# KiCad board Neptune.kicad_pcb (continued)
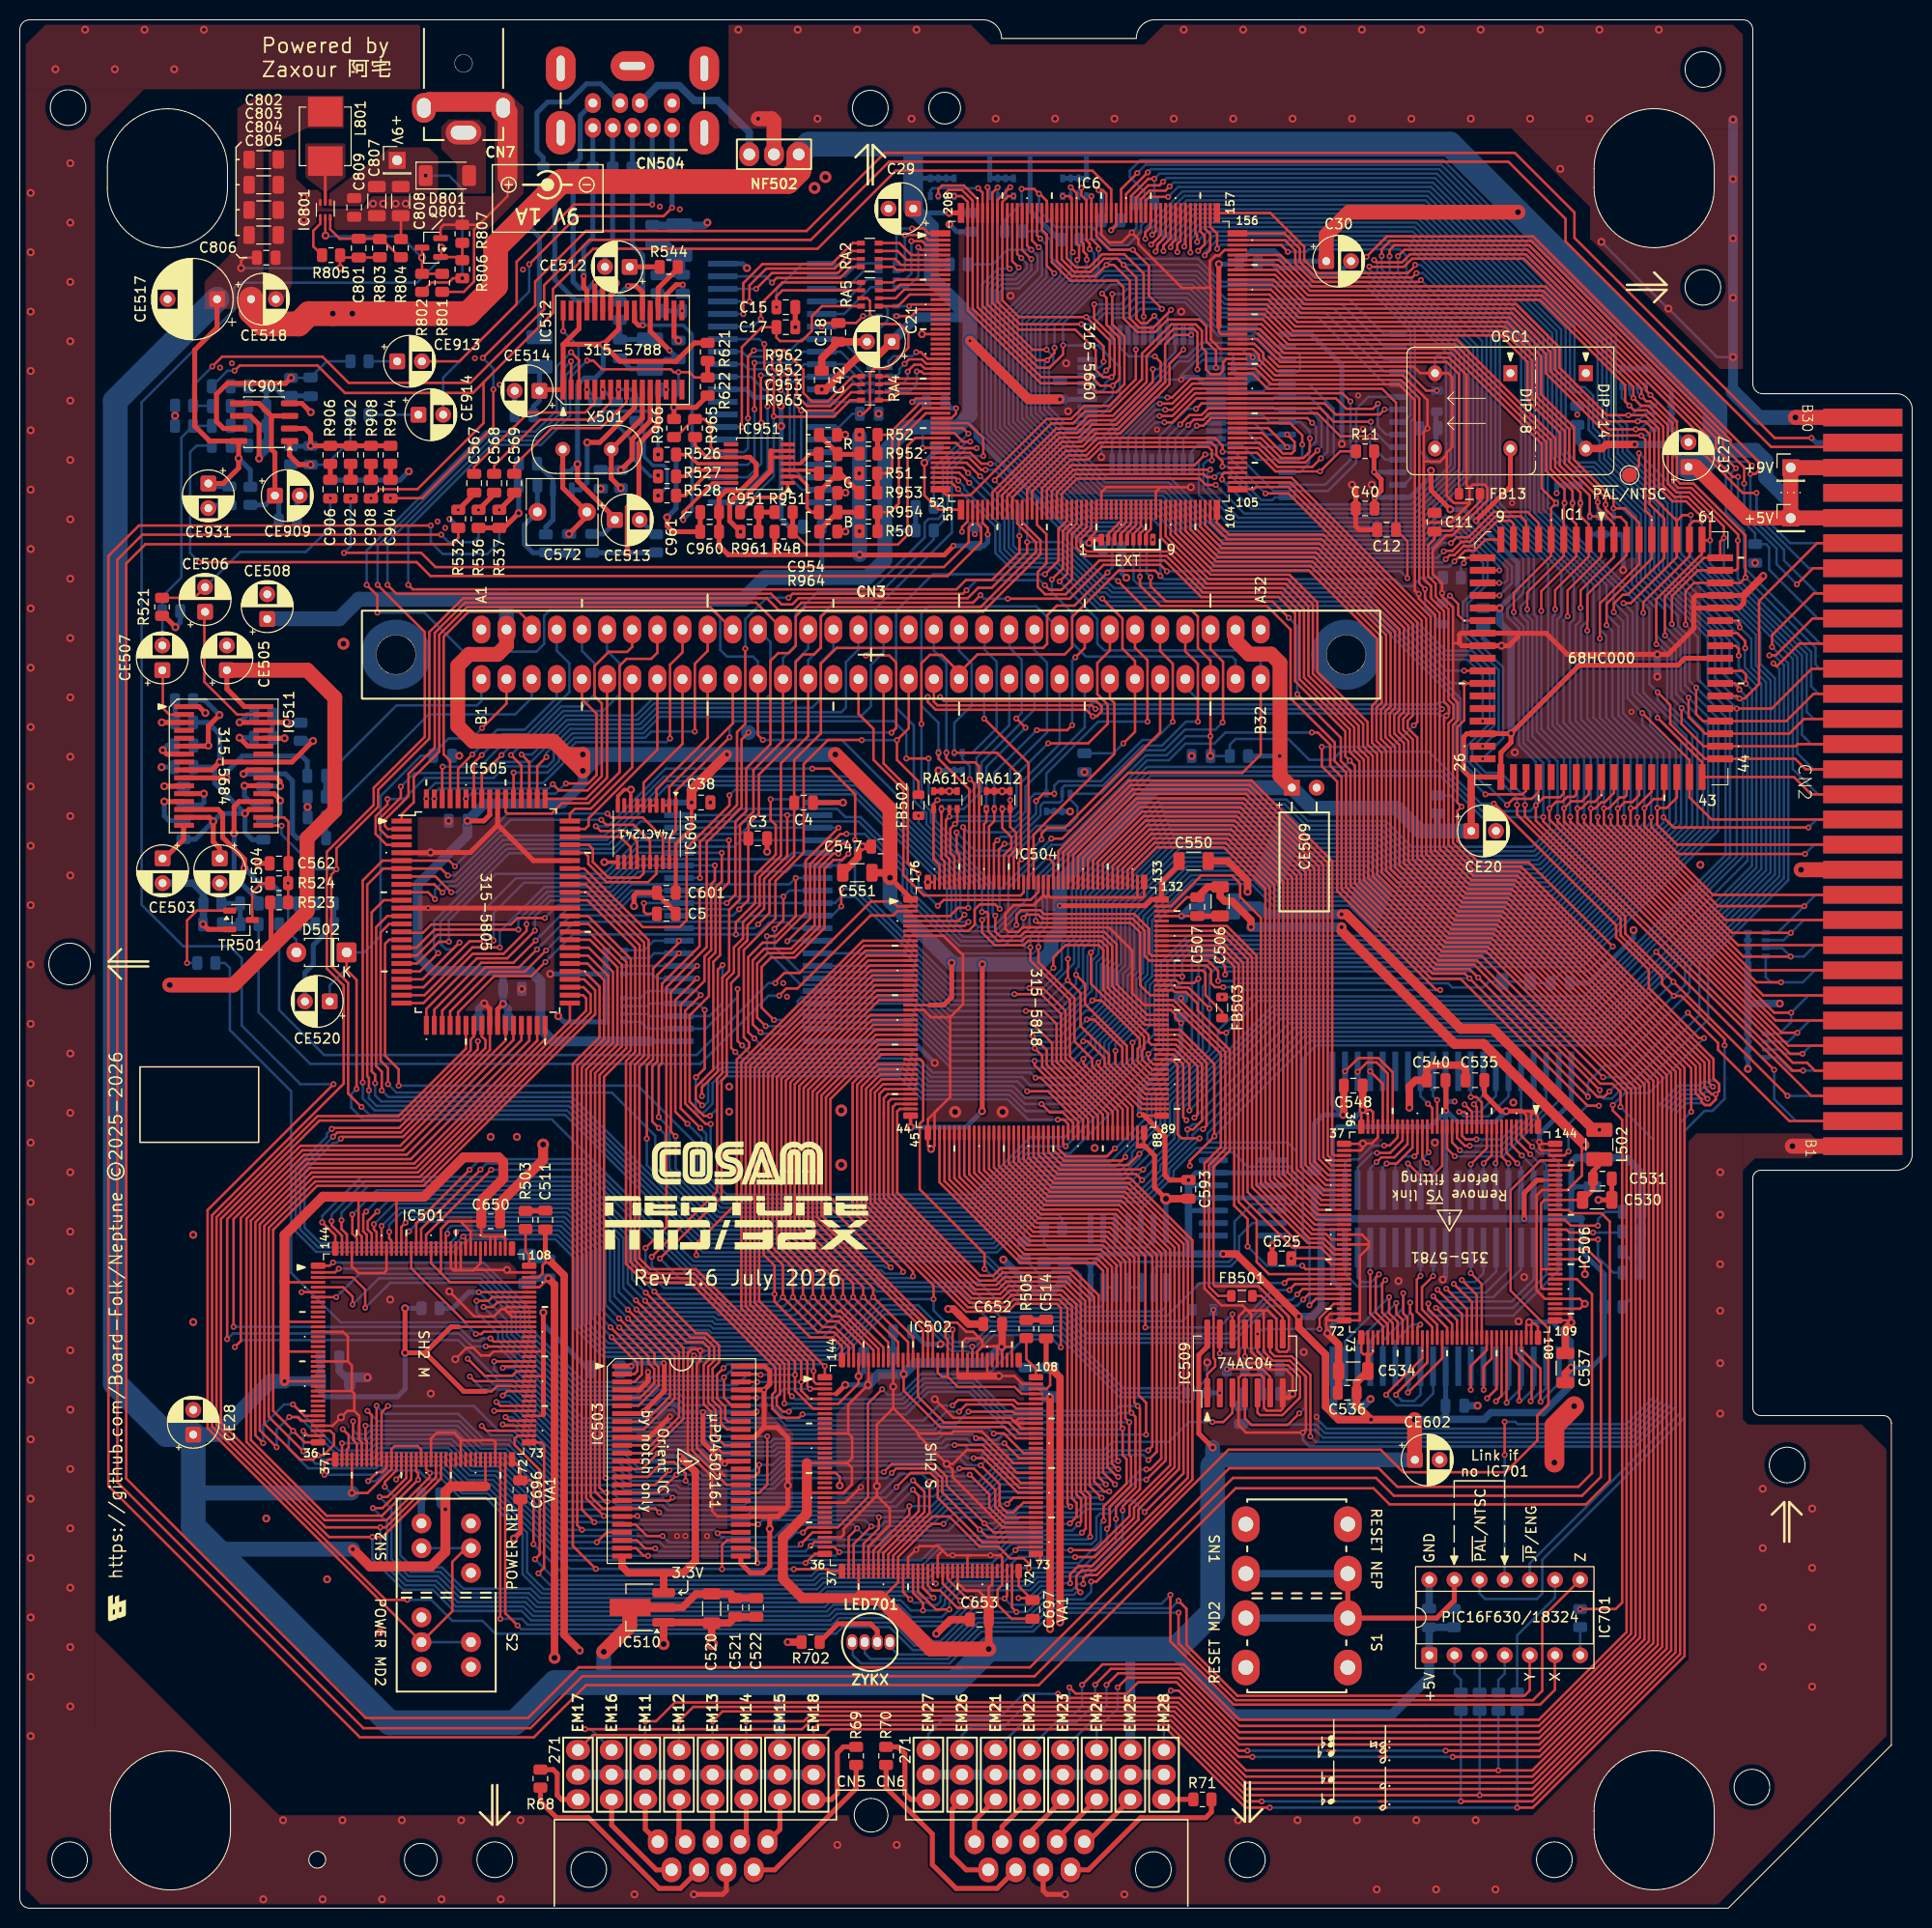
[diagram p0: board, top side]
## Routing (per net, layer and track width the routed paths; a pad name or vN(x,y) marks a point on that pad's centre or on a via; arc(x,y) is an arc through that point)
+3.3V: length 68.6
  Top w0.5: v1(69.02,50.15) 69.02,47.13 v1(71.22,44.93) 71.5,45.2 IC503.38 ; IC503.7 62.82,50 65.12,52.3 65.12,55.05 v1(65.08,55.1) ; v1(74.45,50.2) 74.25,50 IC503.44 ; v1(62.78,45.2) IC503.13 ; v1(61.78,54.8) IC503.1 ; 60.85,35.35 IC503.25
  Top w0.75: 65.05,33.9 61.5,33.9 60.85,34.55 60.85,35.35 ; 65.05,33.9 IC510.3 ; 65.05,33.9 67.05,33.9 68.25,35.1 68.25,44.12 v1(66.7,45.68)
  Bottom w0.5: v1(63.05,50.25) 64.45,50.25 65.14,50.95 66.23,50.95 67.03,50.15 v1(69.02,50.15) 74.37,50.15 74.45,50.23 ; v1(65.08,55.1) 62.08,55.1 v1(61.78,54.8) ; v1(62.78,45.2) 64.73,45.2 65.21,45.68 v1(66.7,45.68) 68.78,45.68 69.53,44.93 v1(71.22,44.93)
  Bottom w0.75: C523.1 61.45,54.47 v1(61.78,54.8)
+9V: length 17.9
  Top w0.25: R802.1 40.65,163.4 41.6,164.35 43.35,164.35 43.78,164.78 44.71,164.78 v2(44.71,164.77)
  Bottom w0.25: v2(44.71,164.77) 44.71,173.82 43.38,175.15 v2(41,175.15)
AVCC: length 2896.8
  Top w0.25: 83.7,48 IC502.12 ; 83.7,48 83.7,50.9 v2(85.7,52.9) 85.75,52.95 IC502.139 ; 83.7,48 84.1,47.6 84.1,45.5 83.6,45 ; 47.55,67.9 48.05,67.9 ; 47.55,67.9 46.78,67.9 46.62,68.05 C650.1 43.34,69.44 42.55,68.65 IC501.123 42.55,64.2 ; 47.55,67.9 IC501.113 ; 48.05,67.9 48.85,67.9 49.05,67.7 IC501.110 ; 48.05,67.9 IC501.112 ; v1(110.26,169.62) 110.78,170.13 110.78,171.88 ; IC501.60 43.55,42.65 ; IC506.35 136.21,80.19 v2(135.7,80.7) ; IC506.1 153.39,80.04 152.85,80.58 151.67,80.58 ; IC506.2 152.71,80.36 152.5,80.58 151.67,80.58 ; IC501.54 40.55,46.38 40.2,46.72 37.88,46.72 37.55,46.4 IC501.48 37.55,44.39 35.13,41.97 v2(33.55,41.97) IC501.40 ; 44.5,69.44 44.51,69.44 45.55,68.4 IC501.117 ; IC502.4 82.5,52 ; v2(135.7,80.7) 136.2,80.7 ; v2(135.7,80.7) 135.54,80.54 IC506.36 ; 136.2,80.7 136.5,80.7 136.71,80.49 IC506.34 ; 136.2,80.7 135.6,80.7 135.5,80.6 ; 97,57.6 95.6,57.6 95.25,57.25 IC502.120 ; 97,57.6 97.26,57.34 97.26,56.88 97.33,56.8 ; 97,57.6 96.32,58.28 95.62,58.28 94.7,59.2 93.88,59.2 93.53,58.85 93.53,57.75 93.75,57.53 IC502.123 93.75,53.74 ; IC502.110 100.25,56.75 v2(99.2,56.75) 99.25,56.8 ; v2(32.38,165.8) 32.36,165.81 R805.2 ; 42.55,64.2 41.55,65.2 IC501.125 ; 42.55,64.2 43.47,63.28 IC501.105 ; IC501.132 38.05,71.62 37.75,71.93 34.35,71.93 34.22,71.8 34.22,68.22 34.55,67.9 IC501.139 ; v1(99.75,40.87) 100.39,41.5 IC502.84 ; 93.75,53.74 94.79,52.7 100.52,52.7 101.22,52 IC502.105 ; 93.75,53.74 93.15,53.74 92.75,54.14 IC502.125 ; 97.9,31.05 96.85,32.1 95.55,32.1 94.75,32.9 IC502.60 ; 97.9,31.05 97.9,30.38 94.72,30.38 92.97,32.12 92.22,32.12 91.75,32.6 IC502.54 ; 97.9,31.05 97.9,32.4 98.25,32.75 IC502.67 ; 99.25,56.8 98.4,56.8 ; 99.25,56.8 IC502.112 ; 152.69,59.09 153.08,59.09 153.39,58.78 IC506.108 ; 152.69,59.09 152.66,59.09 v2(152.5,59.25) 152.21,58.96 IC506.106 ; 152.69,59.09 152.71,59.06 IC506.107 ; 97.92,138.88 v1(97.8,138.88) 97.8,139.52 97.28,140.05 97.28,141.15 ; IC6.38 94.13,150.62 94.6,151.09 v1(94.6,151.62) ; 47.07,52.25 47.67,52.25 48.2,52.78 IC501.84 ; 22.2,146.53 22.21,146.53 ; IC506.74 136.21,56 ; 136.21,56 135.75,56 135.54,56.21 IC506.73 ; 136.21,56 136.5,56 136.71,56.21 IC506.75 ; 97.33,56.8 98.4,56.8 ; 97.33,56.8 97.26,56.8 96.75,56.29 IC502.117 ; 98.4,56.8 98.7,56.8 98.75,56.75 IC502.113 ; v1(104.1,51.69) 103.91,51.5 IC502.104 ; IC501.24 v2(26.75,53.28) ; v1(117.32,89.47) 116.75,90.05 116.75,90.34 116.3,90.8 IC504.110 ; 83.6,45 IC502.18 79.53,45 ; 83.6,45 84.07,44.53 84.07,42.85 83.22,42 IC502.24 79.53,42 ; 108.78,141.15 108.78,139.2 108.05,138.47 v2(108.05,138.03) ; IC1.52 171.34,126.36 171.12,126.58 ; v1(113.12,80.2) 113.2,80.12 IC504.89 ; C806.1 22.68,166.85 22.36,166.53 v2(22.36,165.8) ; 47.05,42.65 IC501.67 ; 91.95,91.3 IC504.22 ; IC502.132 89.25,54.05 ; 89.25,54.05 v2(89.3,54) 89.3,52.33 92.97,48.65 99.5,48.65 100.65,47.5 IC502.96 ; 89.25,54.05 89.25,54.1 ; IC502.40 84.75,31.58 84.97,31.35 87.15,31.35 88.75,32.95 IC502.48 88.75,35.5 92.1,38.85 v1(93.32,38.85) ; 136.21,54.31 C534.1 ; 44.3,58.78 IC501.96 ; v2(97.22,80.58) 97.25,80.6 ; v2(53.4,63.68) 52.5,62.78 IC501.104 ; IC501.4 26.78,63.28 26.75,63.3 ; 32.38,165.88 32.36,165.89 ; v1(91.22,147.62) IC6.44 ; IC501.12 26.75,59.28 ; 121.15,159.87 121.15,159.33 121.35,159.12 IC6.136 ; 32.36,167.14 32.64,166.87 C801.1 36.34,166.87 R803.1 ; 155.12,73.6 153.8,73.6 ; 151.67,80.58 151.8,80.58 152.21,80.16 IC506.3 ; IC501.18 26.75,56.28
  Top w0.35: R965.2 68.22,147.85 69.4,146.68 IC951.10 73.4,146.68 ; IC504.44 v2(90,78.95) ; IC601.20 66.28,102.65 66.28,107.58 67.88,109.18 v2(67.88,111.78)
  Top w0.5: v2(22.11,146.57) 22.06,146.53 ; v2(22.11,146.57) 22.11,145.58 20.55,144.03 CE931.1 ; v2(22.11,146.57) 22.11,148.31 19.19,148.31 17.67,149.82 17.67,157.53 19.93,159.78 CE517.1 ; v2(142.58,145.32) 142.58,143.35 v2(144.52,141.41) ; 40.95,56.15 v2(38.92,56.15) v2(38.92,60.65) ; 40.95,56.15 44.85,52.25 47.07,52.25 ; 40.95,56.15 43.57,58.78 44.3,58.78 ; v2(150.67,118.78) 150.67,117.85 149.65,116.82 IC1.27 146.73,114.36 146.64,114.27 145.88,115.03 145.88,118.4 146.22,118.73 150.64,118.73 v2(150.67,118.78) ; v2(150.67,118.78) 157.55,125.65 167.53,125.65 168.23,126.36 IC1.52 ; v2(45.23,109.92) 46.89,109.92 47.48,110.51 IC505.72 ; v2(120.53,46.58) 119.12,47.97 119.12,55.93 119.98,56.78 119.98,58.54 ; 97.25,80.6 v2(97.25,95.43) ; 82.5,52 v2(83.4,52.9) ; 153.8,73.6 153.3,73.6 152,72.3 v1(152,69.7) ; C540.1 144.1,83.65 v1(144.1,80.64) ; C40.2 v1(136.87,142.62) 137.55,143.3 137.55,144.45 v1(136.83,145.18) 136.83,147.27 R11.2 ; v1(105.07,101.34) 113.69,101.34 114.32,101.97 IC504.132 115.35,103.7 117.12,105.48 C550.1 ; 151.67,80.58 v2(150.17,80.58) 149.65,80.58 147.97,82.25 C535.1 ; 76.25,136.82 76.26,136.84 R48.1 ; CE505.1 20.92,123.25 22.7,121.47 IC511.32 ; v1(94.32,137.73) 93.4,136.8 84.88,136.8 v2(84.85,136.82) 71.57,136.82 70.65,137.75 70.65,142.6 71.35,143.3 72.82,143.3 74.4,144.88 74.4,146.03 73.75,146.68 73.4,146.68 ; 136.21,56 136.21,54.31 ; 95.1,171.38 v2(93.92,171.38) ; v2(118.08,73.6) 116.2,73.6 115.7,74.1 115.7,78.03 113.53,80.2 v1(113.12,80.2) ; 121.15,159.87 v2(121.15,166.2) ; IC505.34 48.28,90.88 v2(48.82,91.43) ; IC1.14 147.81,131.43 149.45,131.43 ; 25.72,97.47 25.39,97.79 25.39,101.57 R523.2 ; v1(147.11,140.24) 150.6,143.73 OSC1.14 ; v2(108.05,138.03) 108.37,138.35 J2.1 ; 91.95,91.3 93.35,91.3 94.15,92.1 v2(94.15,95.58) ; IC504.1 90,102.1 v3(87.92,104.18) ; v2(81.03,153.54) C42.2
  Top w0.75: v3(87.92,104.18) 87.42,104.68 C551.1 ; OSC1.14 159.86,147.56 160.28,147.97 v2(163.16,147.97) ; C548.1 135.67,80.72 v2(135.7,80.7) ; v2(156.73,54.65) 156.15,54.07 C537.1 ; 61.62,30.4 IC510.2 66.95,30.4 68.32,31.78 C520.1 71.88,31.78 C521.1 C522.1 ; v2(159.6,78.69) 159.61,78.7 159.72,78.7 ; v3(140.92,49.4) v2(136.53,49.4) ; v2(136.53,49.4) 135.07,50.86 C536.1 135.07,53.17 C534.1 ; v2(136.53,49.4) 133.22,49.4 131.92,50.7 131.92,55.97 129.22,58.68 v2(129.22,59.83) 122.91,66.14 v2(121.59,66.14) ; C21.1 86.47,156.73 84.57,156.73 81.39,153.54 v2(81.03,153.54) ; C653.1 v3(97.9,26.2) ; v2(53.4,63.68) 54.03,63.05 v3(54.03,25.31) ; 146.64,114.27 CE20.1 ; C652.1 99.25,56.8 ; v2(104.1,28.22) v1(104.1,51.69)
  Top w1: v2(26.75,53.28) 26.75,68.05 30.62,71.93 40.85,71.93 44.82,75.9 48.38,75.9 48.85,75.43 48.85,73.75 46.62,71.53 C650.1 ; v2(71.45,116.62) 67.88,113.05 v2(67.88,111.78) ; 47.05,42.65 43.55,42.65 43,42.1 v2(43,40.33) 43,36.03 41.53,34.55 35.39,34.55 v2(33.65,36.29) ; 84.97,31.35 79.05,31.35 77.1,33.3 77.1,37.45 79.53,39.88 79.53,45 ; 140.92,45.35 CE602.1 ; v2(133.55,100.47) 134.03,100.47 145.6,88.9 148.83,88.9 159.04,78.69 v2(159.6,78.69) ; 97.9,31.05 C653.1 ; v1(96,158.45) 101.91,152.54 v2(105.09,152.54)
  Top w1.5: C30.1 132,169.14 134.31,171.45 v3(151.37,171.45) ; 84.97,31.35 86.9,31.35 92.05,26.2 v3(97.9,26.2) ; CE505.1 29.05,125.15 31.82,122.38 31.82,110.95 29.03,108.15 29.03,100.78 21.57,93.33 v3(15.15,93.33) ; CN2.a26 174.51,140.54 169.35,145.7 CE27.1 ; CE509.1 127.32,114.48 127.32,125.88 126.42,126.78 124.2,126.78 122.84,128.14 CN3.a31 ; 61.62,30.4 61.62,28.55 v3(59,25.93) ; v3(82.4,116.62) 87.92,111.1 v3(87.92,104.18) ; 55.25,116.62 v3(56.89,114.98) v3(56.89,116.62) 55.25,116.62 ; 55.25,116.62 53.89,117.98 45.78,117.98 44.25,119.5 44.25,125.6 45.4,126.75 48.28,126.75 49.18,127.65 CN3.a2 ; CN2.a28 178.93,145.62 TP1.1 TP3.1 ; v3(140.92,49.4) 140.92,45.35
  Top w2: v3(155.05,45.05) 155.05,48.75 v3(157.05,50.75)
  Top w2.5: CE518.1 23.37,161.4 24.62,160.15 28.17,160.15 29.22,161.2 v3(31.62,161.2) 45.28,161.2 48.07,164 48.07,167.95 v2(50.79,170.66) 54.67,174.55 77.6,174.55 78.7,175.65 NF502.3
  In1.Cu w2: CE518.1 CE517.1
  In1.Cu w2.5: v3(81.4,175) v3(80.3,173.9) 70.82,173.9 69.72,175 55.1,175 48.07,167.98 48.07,163.98 45.3,161.2 v3(33.6,161.2) v3(31.62,161.2)
  In2.Cu w0.75: 105.7,26.2 104.2,26.2 104.1,26.3 v2(104.1,28.22)
  In2.Cu w1: 95,155.26 95,166.02 95.62,166.64 95.62,176.28 96.22,176.88 107.38,176.88 110.22,174.03 110.22,169.66 v1(110.26,169.62) ; 95,155.26 95,152.03 v1(94.6,151.62) ; 95,155.26 95,155.24 v2(84.81,145.05)
  In2.Cu w2: v3(157.05,50.75) 159.85,53.55 159.85,64.85 157.3,67.4 157.3,73.3 160.1,76.1 160.1,78.19 v2(159.6,78.69) ; 54.03,22.83 54.08,22.78 97.97,22.78 101.4,26.2 106.55,26.2 122.7,42.35 137.65,42.35 138.9,41.1 151.1,41.1 v3(155.05,45.05) ; v3(15.15,93.33) 9.2,93.33 9.05,93.47 ; CE517.1 CE518.1
  In2.Cu w2.5: v3(54.03,25.31) 54.03,22.83 49.97,18.78 37.35,18.78 9.05,47.08 9.05,162.3 12.17,165.43 17.17,165.43 CE517.1 ; v3(80.3,173.9) v3(81.4,175) 83.28,176.88 96.22,176.88
  Bottom w0.25: 91.5,149.73 91.22,149.45 v1(91.22,147.62) ; v1(93.32,38.85) 94.47,40 98.25,40 99.12,40.87 v1(99.75,40.87) ; 32.38,165.82 32.35,165.8 v2(22.36,165.8)
  Bottom w0.5: R12.1 R14.2 87.4,139.28 ; 90.27,174.9 90.29,174.88 RA617.8 ; 107.78,178.32 107.78,174.88 RA608.1 ; v2(38.92,56.15) 38.92,52.47 38.15,51.7 30.82,51.7 30.38,52.15 C517.1 ; v2(89.3,54) 88.22,54 C527.1 88.25,55.88 C528.1 ; v1(94.6,151.62) 94.12,151.62 C49.1 ; R10.2 104.98,168.69 102.07,171.6 102.07,177.9 102.5,178.32 103.92,178.32 ; 108.18,64.93 109.39,66.14 118.07,66.14 118.08,66.15 ; 108.18,64.93 107.72,65.39 C592.2 103.53,65.39 R558.1 ; 108.18,64.93 IC516.14 ; 118.08,71.81 118.09,71.8 IC515.11 IC515.4 ; IC7.20 C642.2 81.03,135.05 81.55,134.53 ; R611.1 143.22,108.9 ; v1(97.8,138.88) 97.8,138.1 97.42,137.73 C47.1 v1(94.32,137.73) ; IC4.6 v2(105.09,152.54) ; C539.1 132.63,50.81 IC508.20 ; 63.78,87.64 IC2.21 ; v2(67.88,111.78) 67.87,111.77 IC2.40 66.62,111.75 ; v2(85.7,52.9) v2(83.4,52.9) ; C37.2 147.85,131.43 v2(149.52,131.43) 149.52,131.43 151.33,133.24 151.33,136.02 v1(147.11,140.24) 145.94,141.41 v2(144.52,141.41) ; 133.9,79 142.46,79 v1(144.1,80.64) ; 133.9,79 133.2,79 132.63,78.43 IC507.20 130.85,72.6 C541.1 ; 133.9,79 134,79 v2(135.7,80.7) ; C30.1 127.8,166.5 126.75,167.55 124.4,167.55 C32.1 123.05,166.2 v2(121.15,166.2) ; v1(144.1,80.64) 144.06,80.6 IC507.11 144.06,69.74 144.1,69.7 144.67,69.7 ; v1(144.1,80.64) 145.26,79.47 149.08,79.47 v2(150.17,80.58) ; v2(142.58,145.32) 142.58,144.74 140.47,142.62 v1(136.87,142.62) ; R913.2 23.3,145.38 v2(22.11,146.57) ; 98,178.32 RA607.5 RA607.8 ; C46.1 111.22,170.59 v1(110.26,169.62) ; IC515.13 120.59,75.57 120.63,75.61 ; v2(118.08,73.6) 118.82,74.34 125.17,74.34 ; v1(113.12,80.2) 113.12,82.5 117.32,86.7 v1(117.32,89.47) C518.1 ; 144.06,54.8 144.06,50.81 C538.1 ; 109.42,137.48 108.6,137.48 v2(108.05,138.03) 107.31,138.03 96.6,148.74 96.6,149.38 95.57,150.4 95.42,150.4 ; v2(90,78.95) 95.6,78.95 v2(97.22,80.58) ; C29.1 90.7,171.38 v2(93.92,171.38) 96.16,171.38 C50.1 ; 118.08,73.06 118.09,73.07 120.22,73.07 ; v2(50.79,170.66) 52.5,168.95 52.5,158.9 ; 158.44,72.93 C699.1 157.09,72.93 IC507.1 156.76,69.74 156.8,69.7 157.78,69.7 157.78,66.43 160.11,64.09 R507.2 160.11,55.99 158.78,54.65 v2(156.73,54.65) 156.77,54.69 IC508.1 156.77,57.34 154.85,59.25 v2(152.5,59.25) ; v1(136.83,145.18) 136.84,145.17 IC5.26 ; R502.2 v2(38.92,60.65) ; R566.2 v2(127.3,116.48) ; 120.22,70.53 118.1,70.53 118.08,70.52 ; CE931.1 19.35,143.73 C930.1
  Bottom w0.75: C45.1 157.36,148.42 OSC1.14 ; C541.1 130.8,70.3 131.47,69.62 ; 157.78,69.7 v1(152,69.7) 131.55,69.7 131.47,69.62 ; 143.67,49.43 143.65,49.4 v2(136.53,49.4) 133.53,49.4 132.65,50.28 C539.1 ; 143.67,49.43 147.95,49.43 148.62,50.1 153.91,50.1 156.73,52.92 v2(156.73,54.65) ; 143.67,49.43 144.03,49.43 144.05,49.45 C538.1 ; 131.47,69.62 131.47,60.65 130.65,59.83 v2(129.22,59.83) ; v2(149.52,131.43) 149.52,129.96 150.67,128.8 150.67,118.6 ; 48.8,94.75 48.82,94.72 v2(48.82,91.43) 49.32,90.93 C508.1 ; 142.4,25.58 142.4,28.38 C701.1 144.89,28.4 R701.1 ; C651.1 42.47,40.85 v2(43,40.33) ; v2(163.16,147.97) 166.33,147.97 CE27.1 ; v2(121.59,66.14) 118.07,66.14 ; 118.08,70.53 v2(118.08,73.6) ; 118.08,66.15 118.08,70.52 ; v1(104.1,51.69) 104.09,51.69 103.03,52.75 C516.1 ; C517.1 C519.1 ; v2(53.4,63.68) 51.78,63.68 C512.1 ; 92.14,166.18 R15.2
  Bottom w1: v2(99.2,56.75) 97.57,55.12 90.42,55.12 v2(89.3,54) 86.8,54 v2(85.7,52.9) ; 96,160.82 90.57,160.82 C21.1 ; v2(26.75,53.28) C517.1 ; v2(133.55,100.47) 126.03,100.47 125.22,101.28 L501.1 ; 63.78,87.64 53.88,87.64 52.6,88.93 52.6,93.72 51.57,94.75 41.72,94.75 40.2,96.28 40.2,103.47 45.23,108.5 v2(45.23,109.92) 46.97,111.66 54.84,111.66 56.89,113.72 v3(56.89,114.98) 56.89,114.98 ; 116.8,26.2 116.8,25.5 122.7,19.6 138.65,19.6 142.4,23.35 142.4,25.58 ; 112.3,26.2 112.2,26.1 EM25.3 ; EM15.3 76.8,22.8
  Bottom w1.5: v2(33.65,36.29) 19.84,36.29 17.53,38.6 ; CE20.1 141.45,108.9 139.15,111.2 130.6,111.2 CE509.1 114.7,113.28 105.07,103.65 105.07,98.75 104.2,97.88 104.2,96.68 102.95,95.43 v2(97.25,95.43) 94.3,95.43 v2(94.15,95.58) 87.92,101.8 v3(87.92,104.18) ; 58.54,116.62 v3(82.4,116.62) ; 58.54,116.62 56.89,114.98 ; 58.54,116.62 v3(56.89,116.62) v3(56.89,114.98) ; TP1.1 178.93,145.62 CN2.a28 ; 47.22,132.32 34.25,132.32 32.28,130.35 25.03,130.35 CE508.1 ; 47.22,132.32 49.18,132.32 CN3.a2 ; 47.22,132.32 73.12,132.32 75.32,134.53 85.62,134.53 87.4,136.3 87.4,147.3 89.82,149.73 94.74,149.73 96,150.98 v1(96,158.45) 96,160.82 92.1,164.73 92.1,169.98 C29.1 ; v2(26.75,53.28) 25.32,53.28 19.92,47.88 CE28.1 ; v2(120.53,46.58) 120.53,44.7 121.15,45.33 CE602.1 ; v2(33.55,41.97) 17.78,41.97 ; v2(84.85,136.82) 84.85,138.67 84.84,138.68 v2(84.84,139.2) 84.84,139.2 84.84,148.79 ; 59,22.8 v3(59,25.93) ; CN2.a26 178.94,140.54 TP3.1 178.92,142.12 176.4,144.65 176.4,146.32 175.35,147.38 171.3,147.38 170.6,146.68
  Bottom w2: 90.27,178.31 C29.1
  Bottom w2.5: NF502.3 79.72,178.32 144.5,178.32 v3(151.37,171.45) 171.28,151.55 171.28,147.35 169.62,145.7 CE27.1 ; CE517.1 9.65,152.38 9.65,53.05 14.82,47.88 CE28.1 17.53,38.6 37.38,18.75 50,18.75 54.05,22.8 94.5,22.8 v3(97.9,26.2) 116.8,26.2 120.53,29.93 120.53,44.7
  vias: v2(84.84,148.95)
GND: length 3049.5
  Top w0.25: 46.74,170.53 45.9,169.69 45.9,164.44 44.86,163.4 R801.2 ; 46.74,170.53 49.28,173.07 49.28,174.98 ; 46.74,170.53 46.38,170.18 R807.2 42.83,170.18 42.51,169.86 Q801.2 ; 141.85,146.25 141.85,149.21 v1(142.23,149.59) 142.23,152.44 139.72,154.95 126.81,154.95 125.2,156.56 125.2,157.03 124.61,157.62 IC6.133 121.29,157.62 120.34,158.58 120.34,163.72 120.25,163.8 ; 141.85,146.25 143.49,146.25 144.17,146.94 144.17,147.16 ; 141.85,146.25 141.85,140.08 ; IC502.141 v2(84.75,53.78) 84.75,53.05 82.7,51 IC502.6 ; 141.85,140.08 144.56,140.08 146.48,142 146.48,143.58 ; 141.85,140.08 141.85,139.55 ; 155.12,76.6 153.72,76.6 153.53,76.8 v1(153.53,77.45) 153.7,77.28 155.12,77.28 ; 136.3,67.1 136.3,67.4 135.6,68.1 IC506.55 ; 136.3,67.1 136.3,66.83 135.4,65.93 135.4,60.1 ; 136.3,67.1 IC506.57 ; 126.23,54.45 124.41,56.27 124.41,60.06 124.05,60.43 ; 126.23,54.45 127.95,54.45 128.6,53.8 v2(128.6,52) ; 126.23,54.45 125.78,54.9 ; 126.23,54.45 125.58,55.1 123.43,55.1 123.16,55.37 123.16,59.83 123.9,60.57 ; IC502.56 92.75,35.65 93.25,36.15 ; 92.42,103.72 v2(91.75,103.72) 91.92,103.72 ; 132,59.7 132,58.23 v2(132.11,58.12) ; 132,59.7 132.4,60.1 IC506.71 135.4,60.1 ; 132,59.7 132.28,59.43 135.4,59.43 135.4,60.1 ; 125.63,60.43 126.1,60.43 126.97,59.55 126.97,56.53 127.25,56.25 127.97,56.25 128.22,56.5 128.22,59.81 125.15,62.88 120.75,62.88 120.6,63.03 120.6,74.93 122.25,76.58 122.25,86.76 117.32,91.68 v1(117.32,92) ; 125.63,60.43 125.68,60.37 125.68,56.27 126.6,55.35 128.32,55.35 129.95,53.72 129.95,48.4 v1(129.63,48.08) 123.9,48.08 123.14,48.84 123.14,53.6 123.44,53.9 125.4,53.9 125.7,53.6 125.7,50.58 125.98,50.3 127.39,50.3 127.6,50.51 127.6,51.61 ; 125.63,60.43 124.05,60.43 ; 33.8,50.28 34.3,49.78 34.3,47.35 34.55,47.1 IC501.42 ; 33.8,50.28 33.8,52.03 33.55,52.28 ; 33.8,50.28 33.1,50.28 v2(32.45,49.62) 31.6,48.78 IC501.33 ; 44.55,47.45 44.7,47.3 47.88,47.3 48.05,47.12 IC501.69 ; 44.55,47.45 IC501.62 ; 44.55,47.45 43.92,48.08 42.15,48.08 41.55,47.47 IC501.56 ; v1(104.1,54.64) 104.1,52.87 103.73,52.5 IC502.106 ; v1(109,173.68) 109.42,173.68 109.78,173.32 109.78,171.88 ; 52.9,49.88 52.8,49.78 IC501.78 ; 100.6,49.1 100.7,49 IC502.99 ; IC502.78 99.33,38.5 94.25,43.58 94.25,44.33 v2(93.65,44.93) ; 88.25,50.55 v2(88.25,52.72) IC502.134 ; 88.25,50.55 86.6,48.9 v2(86.6,42.67) 86.6,41.7 ; 88.25,50.55 90.8,48 ; 93.25,36.15 92.8,36.6 90.9,36.6 90.57,36.28 v1(90.57,36.22) 90.53,36.22 89.75,35.45 IC502.50 ; 93.25,36.15 93.72,35.68 v1(94.25,35.68) 96.12,35.68 ; 103.9,102.4 104.12,102.18 113.47,102.18 113.6,102.31 113.6,103.72 ; 103.9,102.4 103.67,102.18 103.45,102.4 ; 103.9,102.4 103.92,102.43 103.92,103.72 ; 86.6,41.7 87.9,40.4 87.9,38.7 85.75,36.55 IC502.42 ; 86.6,41.7 83.25,38.35 83.25,37.78 82.97,37.5 IC502.33 ; IC506.37 135.67,77.28 v2(135.7,77.3) ; 155.12,75.1 156.5,75.1 v1(156.8,75.4) 156.8,74.8 156.6,74.6 155.12,74.6 ; 33.15,55.28 33.55,54.88 33.55,52.28 ; 33.15,55.28 IC501.20 ; 33.15,55.28 33.15,57.78 32.65,58.28 IC501.14 ; v2(93.65,44.93) 90.8,47.78 90.8,48 ; v2(93.65,44.93) 94.28,44.93 95.66,46.3 97.18,46.3 100.98,42.5 IC502.86 ; v2(135.7,77.3) 135.7,76.83 135.47,76.6 IC506.38 ; v2(135.7,77.3) 136.6,77.3 137.21,77.91 IC506.33 ; IC501.6 v1(28.47,62.28) ; 95,53.8 94.75,54.05 IC502.121 ; 103.42,103.72 103.42,102.43 103.45,102.4 ; IC502.107 101.3,53 100.5,53.8 v2(98.92,53.8) ; IC502.20 82.45,44 82.85,43.6 v2(82.85,42.72) ; IC504.130 116.53,100.8 117.92,102.2 C507.2 ; IC502.26 83.4,41 v1(84.97,42.57) ; IC502.100 100.9,49.5 100.6,49.2 100.5,49.2 ; 103.45,102.4 102.45,101.4 100.42,101.4 99.57,100.55 99.57,99.03 99.9,98.7 100.88,98.7 101.33,99.15 101.33,99.15 110.05,99.15 112.4,96.8 112.4,92.5 113.6,91.3 IC504.111 116.44,91.3 121.35,86.39 121.35,76.95 119.7,75.3 119.7,62.65 121.42,60.93 123.54,60.93 124.05,60.43 ; 141.85,139.55 141.85,145.4 141.86,145.4 ; 141.85,139.55 141.85,134.37 142.6,133.62 142.6,132.42 143.9,131.12 143.9,121.97 144.4,121.47 144.4,120.81 143.9,120.31 143.9,107.32 146.84,104.38 151.33,104.38 170.22,85.48 170.22,83 170.94,82.28 v1(171.35,82.28) ; v1(31.52,78.78) 31.61,78.88 38.33,78.88 46.28,86.82 v1(46.28,87.65) ; 115.5,143.65 109.78,143.65 109.28,143.15 IC6.81 ; 115.5,143.65 v2(118.32,143.65) ; 115.5,143.65 115.24,143.65 114.78,143.19 IC6.92 ; v2(53.4,65.58) 52.82,65 52.82,64.17 52.42,63.78 IC501.106 ; v4(114.47,138.35) 114.41,138.29 114.41,138 ; v1(171.35,82.28) 171.7,82.63 171.7,83.3 171.12,83.88 171.12,85.85 151.7,105.28 147.21,105.28 144.8,107.69 144.8,119.59 145.3,120.09 145.3,121.84 144.8,122.34 144.8,127.88 ; v1(171.35,82.28) 171.35,81.76 170.78,81.19 170.26,81.19 169.9,81.56 169.9,81.8 169.33,82.38 169.33,85.1 150.95,103.47 146.47,103.47 143,106.94 143,130.75 141.34,132.41 v1(141.34,132.86) 141.27,132.86 140.95,133.18 140.95,152.45 139.35,154.05 126.44,154.05 124.87,155.62 IC6.129 ; 90.8,48 94.12,48 94.32,48.2 97.2,48.2 98.9,46.5 98.9,46.49 100.39,45 IC502.91 ; v2(44,55.5) 45.15,56.65 45.82,56.65 46.6,55.88 47.45,55.88 47.85,56.28 IC501.91 52.88,56.28 ; 156.6,59.9 156.6,59.37 v2(156.77,59.2) ; 156.6,59.9 156.65,59.85 ; 156.6,59.9 156.4,60.1 155.12,60.1 ; 146.48,143.58 146.8,143.91 147.98,143.91 148.29,143.59 148.29,142.33 144.76,138.8 144.17,138.8 142.75,137.38 142.75,134.87 143.7,133.93 v1(143.7,132.95) 143.7,132.59 144.8,131.49 144.8,127.88 ; 146.48,143.58 146.17,143.89 146.17,154.99 144.41,156.75 127.56,156.75 125.13,159.18 ; 126.23,156.81 127.19,155.85 140.82,155.85 141.49,155.18 OSC1.7 144.34,155.18 144.74,154.77 144.74,147.73 144.17,147.16 ; 144.8,127.88 145.45,127.88 145.46,127.87 ; 112.97,77.05 112.92,77.1 IC504.87 ; v2(156.77,59.2) 156.65,59.31 156.65,59.85 ; v2(156.77,59.2) 156.54,59.43 155.12,59.43 ; v2(156.77,59.2) 156.77,59.74 156.65,59.85 ; 144.17,147.16 144.17,142.78 144.9,142.06 146.4,142.06 146.48,142.13 ; IC505.33 47.5,89.23 47.5,86.77 38.7,77.97 32.6,77.97 v1(32.43,77.8) ; 112.28,102.18 112.82,102.18 112.92,102.28 112.92,103.72 ; 71.2,43.72 68.4,46.53 68.4,55 68.65,55.25 68.65,55.26 68.75,55.36 v1(68.75,56.37) 68.62,56.5 67.87,56.5 67.5,56.13 67.5,46.08 69.95,43.63 69.95,40.15 70.5,39.6 IC503.31 ; v1(91.73,122.45) 91.73,121.95 92.54,121.15 107.75,121.15 v1(108.42,120.48) 108.8,120.48 109.3,120.98 109.3,121.5 108.75,122.05 93.37,122.05 v1(92.98,122.44) ; IC501.119 44.55,64.47 ; 45.82,64.47 46.55,65.2 IC501.115 ; 45.82,64.47 45.88,64.53 v2(49.22,64.53) 49.47,64.28 IC501.107 ; 45.82,64.47 43.82,64.47 43.55,64.75 IC501.121 ; 97.9,53.8 97.75,53.8 IC502.115 ; 92.75,80.75 94,82 94,90.08 ; 92.75,80.75 91.75,79.75 91.75,77.08 v2(92.07,76.75) 92.42,77.1 IC504.46 92.42,80.43 92.75,80.75 ; IC504.8 93.35,98.3 95.3,96.35 95.3,91.38 94,90.08 ; v1(38.03,43.35) 38.55,43.87 IC501.50 ; C808.2 38.51,171.07 38.51,168.77 ; 113.42,77.05 113.6,77.22 IC504.88 ; 94,90.08 92.03,90.08 91.31,90.8 IC504.23 ; 77.6,47.1 77.7,47 IC502.14 ; 33.55,52.28 IC501.26 ; v2(158.1,77.15) 157.83,76.88 157.83,74.05 156.37,72.6 153.8,72.6 153.25,72.05 153.25,62.45 154.1,61.6 157.62,61.6 v2(158.12,61.1) 157.62,60.6 155.12,60.6 ; v1(90.17,152.26) 90.53,152.62 IC6.34 ; 48.97,60.55 49.2,60.78 IC501.100 ; 48.97,60.55 48.62,60.55 47.9,59.83 45.92,59.83 v2(43.4,62.35) ; 48.97,60.55 49.25,60.28 ; 120.25,163.8 120.25,166.53 120.8,167.07 121.18,167.07 121.73,167.62 IC6.153 ; 120.25,163.8 117.42,163.8 113.02,168.21 113.02,168.73 v1(112.35,169.4) 111.34,168.4 110.05,168.4 109.28,169.18 109.28,171.88 ; v2(91.15,159.12) IC6.21 ; v2(92.45,51.45) 94.32,49.58 100.12,49.58 101.2,48.5 IC502.98 ; 95.75,53.8 IC502.119 ; C697.2 100.22,29.25 98.8,30.68 98.8,32.22 99.25,32.68 IC502.69 99.25,35.5 99.07,35.68 v1(98.07,35.68) 96.12,35.68 ; IC501.120 44.05,64.47 ; IC501.98 49.75,59.78 49.25,60.28 ; IC501.134 37.05,64.47 36.8,64.22 34.2,64.22 33.55,64.88 IC501.141 ; 96.12,35.68 95.75,35.68 IC502.62 ; 52.9,53.78 IC501.86 ; 49.25,60.28 IC501.99 ; 95.78,141.15 95.78,140.2 95.2,139.62 v1(95.2,139.15) ; IC6.53 92.85,141.38 91.4,142.82 v2(91.4,146.12) ; 155.12,65.6 157.58,65.6 158.14,65.03 v2(158.14,64.09) ; v2(52.9,60.22) 52.92,60.2